# Altium PCB F4AIR.PcbDoc (continued)
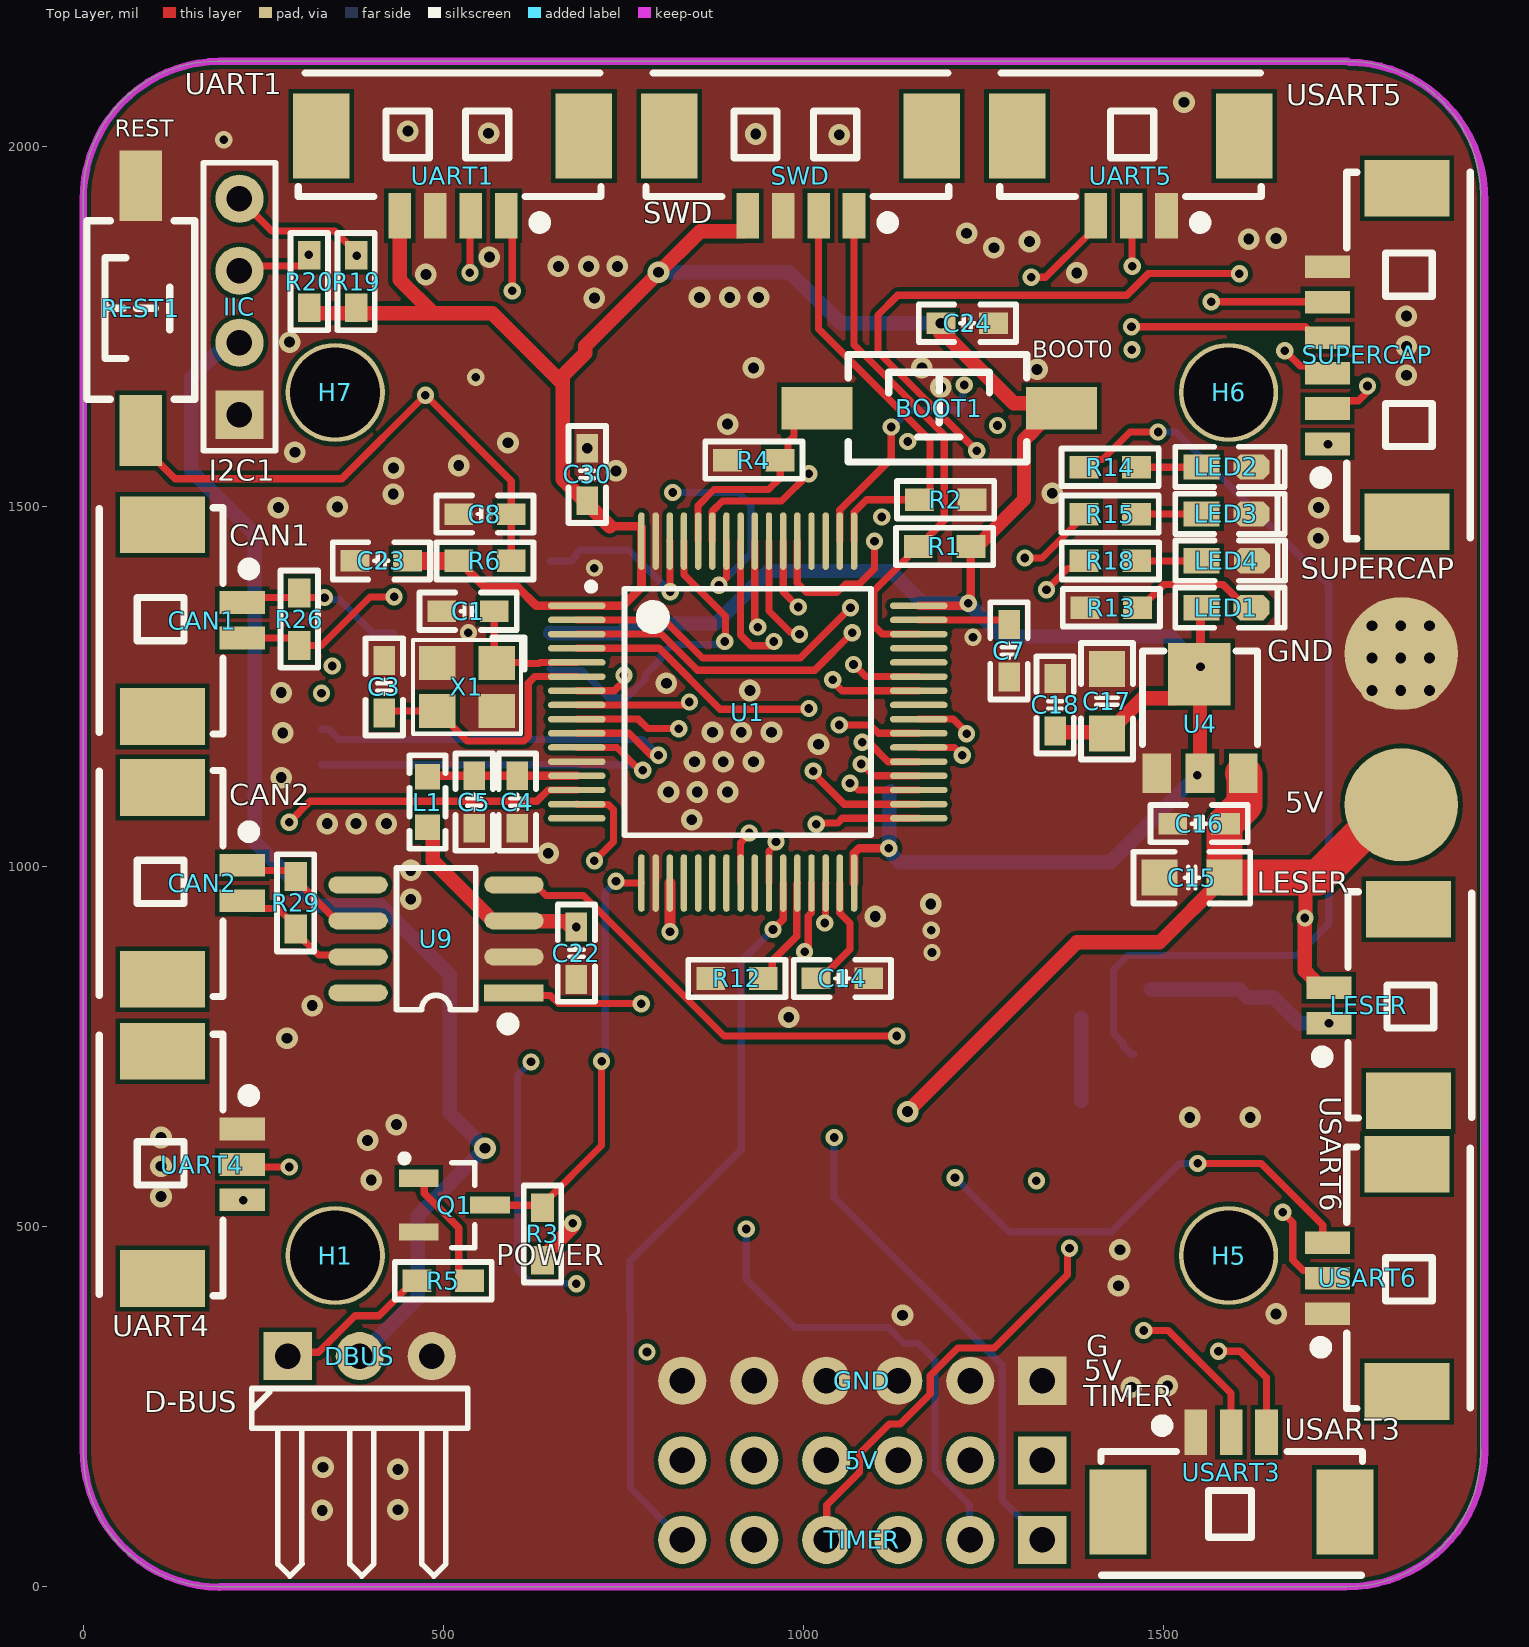
[diagram p0: Top Layer view]
## Footprints (in the part's own frame and the unit in brackets; to place one, negate y for a bottom-side part, rotate by r counter-clockwise, add the part's x,y. Pads: shape width x height; smd on the part's side, far side on the other; paste and mask are expansions set on the pad)
"C 0603_M" [mil] "无极性贴片电容"
  rect 40x30 smd: 1(-36.5,0) 2(36.5,0)
  silkscreen extent -68,-26 68,26, body extent -31,-16 31,16, height 32
"C 0805_M" [mil] "无极性贴片电容"
  rect 50x50 smd: 1(-45,0) 2(45,0)
  silkscreen extent -81,-36 81,36, body extent -39,-24 39,24, height 20
HDR2.54-LI-4P [mm] "排针，4脚"
  rect 1.7x1.7 hole 0.9: 1(-3.81,0)
  round 1.7 hole 0.9: 2(-1.27,0) 3(1.27,0) 4(3.81,0)
  silkscreen extent -5.08,-1.27 5.08,1.27, body extent -5.08,-1.27 5.08,1.27, height 8.5
HDR2.54-LI-6P [mm] "排针，6脚"
  rect 1.7x1.7 hole 0.9: 1(-6.35,0)
  round 1.7 hole 0.9: 2(-3.81,0) 3(-1.27,0) 4(1.27,0) 5(3.81,0) 6(6.35,0)
  body extent -7.62,-1.27 7.62,1.27, height 8.5
HDR2.54-WI-3P [mm] "弯脚排针，3脚"
  rect 1.7x1.7 hole 0.9: 1(-2.54,0)
  round 1.7 hole 0.9: 2(0,0) 3(2.54,0)
  silkscreen extent -3.81,-7.76 3.81,-1.14, body extent -3.81,-7.77 3.81,1.27, height 4.85
"L 0603" [mil] "小功率贴片电感"
  rect 35x35 smd: 1(-35,0) 2(35,0)
  silkscreen extent -65,-25 65,25, body extent -31,-16 31,16, height 31
"LED 0603B" [mil] "蓝色0603LED"
  rect 50x35 smd: 1(-35,0.26)
  oct 50x35 smd: 2(35,0.26)
  silkscreen extent -71,-28 81,28, body extent -31,-16 32,16, height 24
"LED 0603G" [mil] "绿色0603LED"
  rect 50x35 smd: 1(-35,0.26)
  oct 50x35 smd: 2(35,0.26)
  silkscreen extent -71,-28 81,28, body extent -31,-16 32,16, height 18
"LED 0603R" [mil] "红色0603LED"
  rect 50x35 smd: 1(-35,0.26)
  oct 50x35 smd: 2(35,0.26)
  silkscreen extent -71,-28 81,28, body extent -31,-16 31,16, height 18
"LED 0603Y" [mil] "黄色0603LED"
  rect 50x35 smd: 1(-35,0)
  oct 50x35 smd: 2(35,0)
  silkscreen extent -71,-28 81,28, body extent -31,-16 31,16, height 24
LQFP64 [mil]
  oval 80x9 smd: 1(-237.52,147.64) 2(-237.52,127.95) 3(-237.52,108.27) 4(-237.52,88.58) 5(-237.52,68.9) 6(-237.52,49.21) 7(-237.52,29.53) 8(-237.52,9.84) 9(-237.52,-9.84) 10(-237.52,-29.53) 11(-237.52,-49.21) 12(-237.52,-68.9) 13(-237.52,-88.58) 14(-237.52,-108.27) 15(-237.52,-127.95) 16(-237.52,-147.64) 33(237.52,-147.64) 34(237.52,-127.95) 35(237.52,-108.27) 36(237.52,-88.58) 37(237.52,-68.9) 38(237.52,-49.21) 39(237.52,-29.53) 40(237.52,-9.84) 41(237.52,9.84) 42(237.52,29.53) 43(237.52,49.21) 44(237.52,68.9) 45(237.52,88.58) 46(237.52,108.27) 47(237.52,127.95) 48(237.52,147.64)
  oval 9x80 smd: 17(-147.64,-237.52) 18(-127.95,-237.52) 19(-108.27,-237.52) 20(-88.58,-237.52) 21(-68.9,-237.52) 22(-49.21,-237.52) 23(-29.53,-237.52) 24(-9.84,-237.52) 25(9.84,-237.52) 26(29.53,-237.52) 27(49.21,-237.52) 28(68.9,-237.52) 29(88.58,-237.52) 30(108.27,-237.52) 31(127.95,-237.52) 32(147.64,-237.52) 49(147.64,237.52) 50(127.95,237.52) 51(108.27,237.52) 52(88.58,237.52) 53(68.9,237.52) 54(49.21,237.52) 55(29.53,237.52) 56(9.84,237.52) 57(-9.84,237.52) 58(-29.53,237.52) 59(-49.21,237.52) 60(-68.9,237.52) 61(-88.58,237.52) 62(-108.27,237.52) 63(-127.95,237.52) 64(-147.64,237.52)
  silkscreen extent -222,-171 171,179, body extent -236,-236 236,236, height 63
M3x4_N [mm] "M3铜柱，长：4mm"
  round 3.5 hole 3.175: 1(0,0)
"MX 1.25-WS-2P" [mm] "长：7.65mm，宽：4.2mm，高：3.4mm"
  rect 2x3 smd: 0(-3.382,0) 0(3.382,0)
  rect 0.8x1.6 smd: 1(-0.639,2.811) 2(0.611,2.811)
  silkscreen extent -3.98,-2.23 4,3.25, body extent -3.83,-2.1 3.83,3.09, height 3.4
"MX 1.25-WS-3P" [mm] "长：8.9mm，宽：4.2mm，高：3.4mm"
  rect 2x3 smd: 0(-4.007,0) 0(4.007,0)
  rect 0.8x1.6 smd: 1(-1.264,2.811) 2(-0.014,2.811) 3(1.236,2.811)
  silkscreen extent -4.61,-2.23 4.62,3.25, body extent -4.45,-2.1 4.45,3.09, height 3.4
"MX 1.25-WS-4P" [mm] "长：10.15mm，宽：4.2mm，高：3.4mm"
  rect 2x3 smd: 0(-4.632,0) 0(4.632,0)
  rect 0.8x1.6 smd: 1(-1.889,2.811) 2(-0.639,2.811) 3(0.611,2.811) 4(1.861,2.811)
  silkscreen extent -5.23,-2.23 5.45,3.25, body extent -5.07,-2.1 5.07,3.09, height 3.4
"MX 1.25-WS-6P" [mm] "长：12.65mm，宽：4.2mm，高：3.4mm"
  rect 2x3 smd: 0(-5.882,0) 0(5.882,0)
  rect 0.8x1.6 smd: 1(-3.139,2.811) 2(-1.889,2.811) 3(-0.639,2.811) 4(0.611,2.811) 5(1.861,2.811) 6(3.111,2.811)
  silkscreen extent -6.48,-2.23 6.45,3.25, body extent -6.32,-2.1 6.32,3.09, height 3.4
"OSC 3225-4P" [mm] "3.2*2.5*0.7mm(长宽高)"
  rect 1.3x1.2 smd: 1(-1.05,-0.85) 2(1.05,-0.85) 3(1.05,0.85) 4(-1.05,0.85)
  silkscreen extent -2.03,-1.75 1.91,1.65, body extent -1.6,-1.25 1.6,1.25, height 0.7
PAD-1.25-4P [mm]
  rect 0.8x1.3 smd: 1(-1.889,0.134) 2(-0.639,0.134) 3(0.611,0.134) 4(1.861,0.134)
"R 0603_M" [mil] "1/10W贴片电阻"
  rect 40x31.5 smd: 1(-36.5,0) 2(36.5,0)
  silkscreen extent -68,-26 68,26, body extent -31,-16 32,16, height 16
SOP8_M [mm] "5*6*1.8mm（长宽高）"
  rect 2.1x0.6 smd: 1(-2.75,1.905)
  oval 2.1x0.6 smd: 2(-2.75,0.635) 3(-2.75,-0.635) 4(-2.75,-1.905) 5(2.75,-1.905) 6(2.75,-0.635) 7(2.75,0.635) 8(2.75,1.905)
  silkscreen extent -2.69,-2.5 1.4,3.15, body extent -3,-2.5 3,2.5, height 1.9
SOT23-3M [mm] "3x1.3x1mm(长宽高)"
  rect 0.6x1.4 smd: 1(-0.95,0) 2(0.95,0) 3(0,2.514)
  silkscreen extent -1.78,-0.63 1.5,1.97, body extent -1.5,0.07 1.5,2.47, height 1.05
SOT-89 [mil]
  rect 40x55 smd: 1(-61.82,-0.57) 2(-1.82,-0.57) 3(58.18,-0.57)
  rect 86.61x86.61 smd: 2(-2.76,137.22)
  silkscreen extent -82,39 78,169, body extent -90,-6 87,163, height 59
"TSW SMD-3*6*5" [mm] "3*6*5mm"
  rect 2.5x1.5 smd: 1(-4.318,0) 2(4.318,0)
  silkscreen extent -3.21,-1.9 3.09,1.9, body extent -4.6,-1.75 4.6,1.75, height 5.1

## Part data
5V GND TIMER: library part "Header 6", "6P接插件", BOM名称=6P接插件, 学习资源=www.ooocke.com, 版权归属=源创客
BOOT1 REST1: library part "TSW 3x6", "3x6轻触开关", BOM名称=3x6轻触开关, 学习资源=www.ooocke.com, 版权归属=源创客
C1 C3 C4 C5 C7 C8 C14 C15 C16 C17 C18 C20 C21 C22 C23 C24 C30 C31: library part C, "无极性贴片电容", BOM名称=无极性贴片电容, 学习资源=www.ooocke.com, 版权归属=源创客
H1 H5 H6 H7: library part M3, "铜柱孔", BOM名称=铜柱孔, 学习资源=www.ooocke.com, 版权归属=源创客
IIC UART1: library part "HDR 2.54 -4P_1", "HDR 2.54 -4P"
L1: library part L, "小功率贴片电感", BOM名称=小功率贴片电感, 学习资源=www.ooocke.com, 版权归属=源创客
LED1 LED2 LED3 LED4: library part LED-SMD, "贴片LED", BOM名称=贴片LED, 学习资源=www.ooocke.com, 版权归属=源创客
Q1 Q2: library part 8050-SMD, "高频放大-NPN型"
R1 R2 R3 R4 R5 R6 R12 R13 R14 R15 R18 R19 R20 R23 R25 R26 R29: library part R, "贴片电阻", BOM名称=贴片电阻, 学习资源=www.ooocke.com, 版权归属=源创客
SUPERCAP: library part "HDR 2.54 -8P", "HDR 2.54 -8P"
SWD: library part "MX 1.25 -4P", "MX 1.25 -4P"
U4: library part AMS1117, "三端稳压芯片", BOM名称=稳压芯片, 学习资源=www.ooocke.com, 版权归属=源创客
U8 U9: library part MAX3051EKA+T, "CAN芯片"
UART4 UART5 USART3 USART6: library part "HDR 2.54 -3P", "HDR 2.54 -3P"
X1: library part XTAL-4P, "4脚无源晶振", BOM名称=4脚无源晶振, 学习资源=www.ooocke.com, 版权归属=源创客

## Free pads (board coordinates)
  round 157.48 smd: 2(1831.03,1086.31) 2(1831.03,1296.31)

## Via types
v1: diameter 30, hole 15, Top Layer to Bottom Layer, 99 vias
v2: diameter 24, hole 12, Top Layer to Bottom Layer, 95 vias
v3: diameter 24, hole 12, Top Layer to Bottom Layer, tented both sides, 1 vias

## Nets (pads, with @x,y where several pads share a name; then routed paths per layer and width w, separated by ;. In a path a pad name is that pad's centre, name@x,y a point inside that pad or via, vN(x,y) a via of type N, cw(c..) or ccw(c..) an arc to the next point about the centre after c; other vN are vias at no path point)
3.3V: BOOT1.2 C17.2 C18.1 C20.1 C21.1 C22.1 C23.1 C24.1 C30.2 C31.2 L1.1 LED1.1 R1.1 R3.2 R6.2 R19.1 R20.2 SWD.4 U1.1 U1.19 U1.32 U1.48 U1.64 U4.2 U8.3 U9.3 UART1.4 | length 6207.4
  Top Layer w12: R6.2 525.75,1425 535.5,1415.25 535.5,1411 558.5,1388 604,1388 629.36,1362.64 U1.1 749.64,1362.64 775.36,1388.36 U1.64 775.36,1471.75 773.86,1473.25 731.26,1473.25 730,1472 ; U1.32 1070.64,1018.97 1077.67,1026 v2(1119,1026) ; U1.48 1225.97,1362.64 v2(1229.49,1366.15) 1233,1369.67 R1.1 1237.25,1449.25 R1.1@1245.58,1449.25 ; BOOT1.2@1349.32,1633.68 BOOT1.2@1358,1625 ; v2(1552,1278) 1552,1359 LED1.1
  Top Layer w15: U1.19 814.87,977.35 814.87,910.13 v2(815,910)
  Top Layer w20: R20.2 314,1774.75 319.75,1769 486,1769 ; UART1.4 439.72,1815.28 486,1769 ; L1.1 485.5,1047.5 485.5,1008.24 568.74,925 U9.3 598.96,924.31 669.47,924.31 677.28,916.5 v2(685,916.5) ; R3.2 638,457.75 679.23,498.99 679.23,504.23 v3(680,505) ; 731.26,1473.25 666,1538.51 666,1671 ; SWD.4 923.03,1888.6 917.28,1882.85 856.85,1882.85 794,1820 697.5,1723.5 697.5,1713.5 666,1682 666,1671 ; C24.1@1190.5,1741 1191.5,1740 ; 1196.5,1740 1292.5,1644 1328.21,1644 1338.53,1633.68 BOOT1.2@1349.32,1633.68 ; R1.1@1245.58,1449.25 1306.71,1510.38 1306.71,1593.18 1318.79,1605.26 1318.79,1605.47 1338.32,1625 BOOT1.2@1338.53,1625 ; C18.1 1351.75,1186.75 1420.25,1186.75 C17.2 1471.39,1234.39 1517,1234.39 U4.2@1550.3,1267.69 ; U4.2@1551.25,1129.9 1551.25,1277.25 v2(1552,1278) ; 486,1769 568,1769 666,1671
  Top Layer w25: C23.1@447,1427.5 C23.1@449.5,1425 ; C23.1 C23.1@449.5,1425 ; R6.2 C23.1@449.5,1425
  Power w20: v3(680,505) 680,775 v2(815,910) 860,955 860,962 ; v2(685,916.5) 745.5,916.5 791,962 860,962 ; v2(1119,1026) 1051,1026 987,962 860,962
  Bottom Layer w20: U8.3 648.96,1324.31 744.19,1324.31 C20.1 759.5,1338 878.43,1338 951.43,1411 1121.5,1411 1166.35,1366.15 v2(1229.49,1366.15) 1275.64,1320 1510,1320 v2(1552,1278) ; v1(799,1826) 981,1826 1052,1755 v1(1191.5,1755) ; v2(1119,1026) 1119.77,1026.77 1119.77,1103.27 1121.5,1105 ; C31.2@1122.86,1017.69 C31.2@1131,1009.56 ; C31.2@1134.06,1006.5 1426.5,1006.5 v2(1547.37,1127.37)
5V: 5V.1 5V.2 5V.3 5V.4 5V.5 5V.6 C15.2 C16.1 DBUS.2 IIC.2 LESER.2 pad.2@1831.03,1086.31 U4.3 | length 4506.9
  Top Layer w20: v1(1145,660) 1380,895 1495,895 C15.2 ; 1714.91,985 1697.77,967.85 1697.77,929.77 v2(1697,929) 1697,855.45 1708.85,843.6 1708.85,837.81 1714.6,832.06 LESER.2
  Top Layer w50: U4.3 1613.11,1128.03 1613.11,1086.61 C16.1 1585,1058.5 C15.2 1714.91,985 1816.22,1086.31 pad.2@1831.03,1086.31
  Singal w20: v1(558,609) 700,609 855,454 ; v2(783,326) 783,382 855,454 ; v1(1145,660) 939,454 855,454
  Power w20: v2(783,326) 782.54,325.54 782.54,224.96 5V.6 5V.5 5V.4 5V.3 5V.2 5V.1
  Bottom Layer w20: IIC.2 204.3,1728 188.42,1712.12 183.12,1712.12 150,1679 150,1550 238,1462 238,1034 326,946 413,946 509,850 509,658 v1(558,609) 464.5,515.5 464.5,400.83 DBUS.2
ADC15: U1.25
BOOT0: BOOT1.1 R4.1 U1.60 | length 295.6
  Top Layer w10: U1.60 854.1,1502.1 876,1524 952,1524 968.11,1540.11 968.11,1560.86 978.75,1571.5 978.75,1589.89 987.19,1598.33 987.19,1612.47 999.72,1625 BOOT1.1@1018,1625
CAN1-RX: U1.61 U8.4 | length 461.9
  Top Layer w10: U1.61 834.42,1405.58 892,1348 892,1314 v2(891.04,1313)
  Bottom Layer w10: U8.4 650.87,1272.39 692.61,1272.39 730,1235 755,1235 781,1261 781,1266.77 802,1287.77 802,1293 817.79,1308.79 877.14,1308.79 877.68,1309.32 887.36,1309.32 v2(891.04,1313)
CAN1-TX: U1.62 U8.1 | length 269.7
  Top Layer w10: U1.62 815.13,1452.12 815.13,1382.4 v2(815.53,1382)
  Bottom Layer w10: U8.1 677.8,1425 684.61,1431.81 684.61,1434.14 690.46,1440 757.53,1440 v2(815.53,1382)
CAN1_H: CAN1.2 R26.2 U8.7 | length 243.4
  Top Layer w10: CAN1.2 289.56,1317.94 R26.2 330.75,1307.5 398.25,1375 v2(431.73,1375)
CAN1_L: CAN1.1 R26.1 U8.6 | length 235
  Top Layer w10: CAN1.1 228.5,1375 229.5,1374 v2(335,1374)
  Bottom Layer w10: v2(335,1374) 337.68,1371.32 355.88,1371.32 402.2,1325 U8.6
CAN2-RX: U1.33 U9.4 | length 1241.3
  Top Layer w10: U9.4 627.8,975 642.8,960 695,960 890,765 v2(1130,765) ; v2@1022.68,1060.68 1047.68,1060.68 1054.36,1067.36 U1.33
  Power w10: v2(1018,1059) 1143,1059 1212,990 1212,847 v2(1130,765)
  Bottom Layer w10: v2@1017.67,1058.67 v2(1018,1059)
CAN2-TX: U1.34 U9.1 | length 790.5
  Top Layer w10: U9.1 602.02,821.25 648.75,821.25 660,810 v2(775,810) ; v2(1014,1133) 1019,1133 1019.68,1132.32 1019.68,1124.32 1056.95,1087.05 U1.34
  Singal w10: v2(775,810) 795,810 991,1006 991,1110 v2(1014,1133)
  Bottom Layer w10: v2(1014,1133) 1014,1133.33 v2@1016.33,1135.67
CAN2_H: CAN2.2 R29.2 U9.7 | length 198.3
  Top Layer w10: CAN2.2 231.4,942.19 270.56,942.19 295,917.75 R29.2 295,909.25 326.64,877.61 379.13,877.61 U9.7
CAN2_L: CAN2.1 R29.1 U9.6 | length 195.5
  Top Layer w10: CAN2.1 227.8,995 286.5,995 R29.1 295,982.25 352.25,925 U9.6
CS-FLASH: U1.20
CS-ICM: SUPERCAP.4 U1.50 | length 872.7
  Top Layer w10: U1.50 1050.95,1495.58 1081.37,1526 1122.24,1566.86 v2(1122.24,1611) ; v2(1456.15,1750.29) 1697.37,1750.29 1712.6,1735.06 SUPERCAP.4
  Singal w10: v2(1223.83,1669.4) 1304.72,1750.29 v2(1456.15,1750.29)
  Bottom Layer w10: v2(1122.24,1611) 1124,1611 1147.37,1634.37 1203,1634.37 1213.67,1634.37 1221.7,1642.4 1221.7,1667.27 v2(1223.83,1669.4)
GND: C1.1 C3.1 C4.2 C5.2 C7.2 C8.1 C14.1 C15.1 C16.2 C17.1 C18.2 C20.2 C21.2 C22.2 C23.2 C24.2 C30.1 C31.1 DBUS.3 GND.1 GND.2 GND.3 GND.4 GND.5 GND.6 IIC.1 LED2.2 LED3.2 LED4.2 pad.2@1831.03,1296.31 Q1.2 Q2.2 R2.1 R4.2 R12.1 R13.2 R23.1 REST1.2 SUPERCAP.6 SWD.3 U1.12 U1.18 U1.63 U4.1 U8.2 U9.2 UART1.3 UART4.1 UART5.1 USART3.1 USART6.1 X1.2 X1.4
  other v1: 332,106 437,107 437,163 333,166 1456,277 1506,279 1138,377 1657,379 1438,418 1440,468 108,542 400,565 108,584 395,620 108,624 435,642 1537.02,652 1621,652 283,762 980,791 317.99,807.3 1100,931 1177.36,948.39 455,955 455,995 646,1019 339,1060 379,1060 421,1060 845.36,1065.39 813,1104 853,1104 895,1104 275,1124 849,1146 889,1146 931,1146 1021.36,1170.39 277,1186 874,1187 914,1187 956,1187 275,1242 926,1245 1790,1245 1830,1245 1870,1245 810,1255 1790,1290 1830,1290 1870,1290 1790,1335 1830,1335 1870,1335 1715.39,1456.38 271,1499 1716,1499 353,1500 430.68,1517.79 1346,1519 740,1550 431,1554 521.5,1557.5 294,1576 700,1581.5 590,1589 895,1615 1191,1666 1838,1683 1325,1691 931,1693 1165,1693 1838,1723 286.58,1728.89 1838,1765 710,1790 856,1791 898,1791 938,1791 475.99,1822.85 1380,1825 660,1834 702,1834 742,1834 564.15,1847 1265,1860 1314.35,1868.61 1619,1872 1657,1873 1227,1880 1050,2017 934,2018 563,2019 451,2022 1529,2062
  other v2: 1179,881 1178,912 1236,1319 535,1325 710,1415 545,1680 195,2010
GPIO0: GPIO.1 U1.8 | length 675
  Top Layer w10: U1.8 834.05,1224.84 838.21,1229 v2(842,1229)
  Singal w10: v2(346,1279) 654,1279 704,1229 v2(842,1229)
GPIO1: GPIO.2 U1.9 | length 663.3
  Top Layer w10: U1.9 770.84,1205.16 784,1192 v2(827,1192)
  Singal w10: v2(331,1241) 380,1192 v2(827,1192)
GPIO2: GPIO.3 U1.10 | length 609.1
  Top Layer w10: U1.10 758.05,1185.47 788.53,1155 v2(799,1155)
  Bottom Layer w10: GPIO.3 340.84,1191.21 355.06,1177 777,1177 v2(799,1155)
GPIO3: GPIO.4 U1.11 | length 559.4
  Top Layer w10: U1.11 741.21,1165.79 776.95,1130.05 777,1130.1 v2(777,1134)
  Bottom Layer w10: GPIO.4@331,1141.72 765.49,1141.72 773.21,1134 v2(777,1134)
I2C1-SCL: IIC.3 R20.1 U1.58 | length 1129.2
  Top Layer w10: IIC.3 223.5,1834.5 303.25,1834.5 R20.1@314,1845.25 ; v2(883,1391) 893.47,1401.47 U1.58
  Singal w10: v2(313,1850) 313,1808.99 451,1670.99 451,1598 451,1591.23 522.23,1520 v2(819,1520)
  Bottom Layer w10: v2(819,1520) 910,1520 927.65,1502.35 927.65,1435.65 v2(883,1391)
I2C1-SDA: IIC.4 R19.2 U1.59 | length 1173.2
  Top Layer w10: IIC.4 261.65,1883.35 349.41,1883.35 R19.2@379,1853.75 ; U1.59 873.79,1493.79 888,1508 970,1508 v2(1008,1546)
  Singal w10: v2(380,1849) 380,1798 461,1717 635.23,1717 653.81,1698.42 855.58,1698.42 v2(1008,1546)
ICM-INIT: SUPERCAP.5 U1.24 | length 1382.6
  Top Layer w10: U1.24 913.16,1033.88 925,1045.72 v2(925,1047) ; v2(1567,1785) 1725.62,1785 1726.62,1786 SUPERCAP.5
  Singal w10: v2(1270,1613) 1270.63,1613.63 1297,1613.63 1335.37,1652 1422.91,1652 1555.91,1785 v2(1567,1785)
  Power w10: v2(925,1047) 970,1092 1087,1092 1188,1193 1188,1492.47 1270,1574.47 v2(1270,1613)
IST_DRDY: U1.52
IST_RST: U1.51
LED-B: R18.2 U1.4 | length 896.3
  Top Layer w10: U1.4 799.94,1303.58 884.53,1219 1012.21,1219 1013.21,1220 v2(1008,1220) ; v2(1338,1385) 1367.25,1414.25 1379.51,1414.25 R18.2
  Singal w10: v2(1008,1220) 1276.75,1220 1338,1281.25 v2(1338,1385)
LED-G: R15.2 U1.3 | length 818.3
  Top Layer w10: U1.3 802.89,1323.27 853.15,1273 1016,1273 v2(1068,1325) ; v2(1308,1429) 1331.75,1429 R15.2@1393.01,1490.26
  Singal w10: v2(1068,1325) 1172,1429 v2(1308,1429)
LED-R: R14.2 R25.1 U1.2 | length 2332.4
  Top Layer w10: U1.2 807.08,1342.95 860.03,1290 996,1290 v2(1065.74,1359.74) ; R14.2@1393,1555 1403.75,1565.75 1415.75,1565.75 1454,1604 v2(1493,1604)
  Singal w10: v2(1065.74,1359.74) 1310,1604 v2(1493,1604)
  Bottom Layer w10: R25.1 1455.25,740 1444.5,750.75 1444.5,755 1431,768.5 1431,857 1451,877 1686,877 1730,921 1730,1392 1518,1604 v2(1493,1604)
NetC1_2: C1.2 U1.5 X1.1 | length 185.5
  Top Layer w10: C1.2 571,1286.8 X1.1 574.77,1283.9 609.65,1283.9 611.2,1282.34 632.74,1282.34 634.3,1283.9 U1.5
NetC3_2: C3.2 U1.6 X1.3 | length 367.5
  Top Layer w10: C3.2 421.04,1216.54 X1.3 493.63,1216.54 512.25,1197.91 512.25,1195.94 533.2,1175 612.14,1175 618,1180.86 618,1255 627.21,1264.21 U1.6
NetC4_1: C4.1 C5.1 L1.2 U1.13 | length 208.1
  Top Layer w10: L1.2 L1.2@479.42,1126.42
  Top Layer w12: L1.2@479.42,1126.42 543,1126.42 603,1126.42 U1.13
NetC7_1: C7.1 U1.47 | length 118.9
  Top Layer w10: U1.47 C7.1@1279.45,1342.95
NetC14_2: C14.2 U1.31 | length 161.6
  Top Layer w10: C14.2 1024.53,845 1065,885.47 1065,921.76 1050.95,935.81 U1.31
NetDBUS_1: DBUS.1 R5.1 | length 222.9
  Top Layer w10: DBUS.1 289.49,325.81 326.61,325.81 377.29,376.5 410.75,376.5 459.25,425 R5.1
NetLED1_2: LED1.2 R13.1 | length 185
  Top Layer w10: R13.1 1468.75,1360 1500.75,1392 1583.5,1392 1615.5,1360 LED1.2
NetLED2_1: LED2.1 R14.1 | length 90.2
  Top Layer w10: R14.1 1552.49,1555 LED2.1
NetLED3_1: LED3.1 R15.1 | length 90.1
  Top Layer w10: R15.1 1552.75,1490 LED3.1
NetLED4_1: LED4.1 R18.1 | length 90.1
  Top Layer w10: R18.1 1553.01,1425 LED4.1
NetLESER_1: LESER.1 Q2.3 | length 266.8
  Bottom Layer w20: Q2.3 1606,829.89 1617.04,818.85 1653.15,818.85 1689.15,782.85 v2(1730.35,782.85)
NetQ1_1: Q1.1 R5.2 | length 174.5
  Top Layer w10: Q1.1 466.74,567.41 473.55,560.6 473.55,546.45 521.5,498.5 521.5,435.75 532.25,425 R5.2
NetQ2_1: Q2.1 R23.2 R25.2 | length 118.7
  Bottom Layer w10: Q2.1 Q2.1@1386.5,790.01
  Bottom Layer w20: R23.2 1386.25,675.25 1386.25,739.75 R25.2 Q2.1@1386.5,790.01
NetR12_2: R12.2 U1.28 | length 153.1
  Top Layer w10: R12.2 946.22,845 956.97,855.75 956.97,869.49 991,903.53 991,976.58 U1.28
REST: C8.2 R6.1 REST1.1 U1.7 | length 1611.9
  Top Layer w10: REST1.1 80,1586.32 127.32,1539 359,1539 v2(475.26,1655.26) 594.5,1536.03 C8.2 R6.1 ; U1.7 737.53,1244.53 751,1258 v2(751,1266)
  Singal w10: v2(475.26,1655.26) 477.53,1653 782,1653 858,1577 858,1480 751,1373 v2(751,1266)
SPI1-MISO: U1.22
SPI1-MOSI: U1.23
SPI1-SCK: U1.21
SPI3-MISO: SUPERCAP.3 U1.56 | length 1323.1
  Top Layer w10: U1.56 932.84,1340.95 937,1336.79 v2(937,1333) ; v2(1669,1717) 1690.02,1695.98 1718.22,1695.98 SUPERCAP.3
  Singal w10: v2(937,1333) 937,1379.53 1145.24,1587.76 1145.24,1658.76 1124,1680 1124,1753 1158,1787 1472,1787 1504,1819 1567,1819 v2(1669,1717)
  other v2: 1145.24,1590.76
SPI3-MOSI: SUPERCAP.2 U1.57 | length 1376
  Top Layer w10: U1.57 913.16,1321.84 928,1307 953.36,1307 v2(959.36,1313) ; SUPERCAP.2 1739.1,1647.39 1771.6,1647.39 1784,1659.79 v2(1784,1668)
  Singal w10: v2(959.36,1313) 959.36,1315.22 970,1325.86 970,1371 1012,1413 1027.28,1413 1089.54,1475.26 1094.47,1475.26 1105.21,1486 v2(1109,1486) 1109,1522 1305.25,1718.25 v2(1456.64,1718.26)
  Power w10: v2(1456.64,1718.26) 1497.38,1759 1729,1759 1784,1704 v2(1784,1668)
SPI3-SCK: SUPERCAP.1 U1.55 | length 1617.6
  Top Layer w10: U1.55 952.53,1355.47 982.32,1325.68 992.32,1325.68 v2(995,1323) ; v2(1241,1578) 1104,1715 1104,1766.55 1131.45,1794 1449.41,1794 1479.41,1824 v2(1606,1824)
  Singal w10: v2(995,1323) 1101.26,1429.26 1108.59,1429.26 1238.32,1558.98 1238.32,1573.32 v2@1244.32,1579.32 ; v2(1606,1824) 1664,1824 1729,1759 v2(1729,1587)
  Bottom Layer w10: v2@1234.45,1575.24 1237.21,1578 v2(1241,1578)
SWCLK: R2.2 SWD.2 U1.49 | length 604.7
  Top Layer w10: SWD.2 1021.45,1747.55 1176,1593 1176,1520.75 1165.25,1510 1088,1510 1070.64,1492.64 U1.49
SWDIO: R1.2 SWD.1 U1.46 | length 734.2
  Top Layer w10: SWD.1 1070.67,1725.33 1099,1697 1196,1600 1196,1481 1175,1460 1175,1455.75 1164.25,1445 R1.2 1155.75,1445 1145,1434.25 1145,1430 1098,1383 1098,1335 1109.73,1323.27 U1.46
TIM3-CH3: TIMER.5 U1.26 | length 1439.3
  Top Layer w10: U1.26 952.53,1021.9 962.17,1031.55 v2(962.17,1034.76)
  Singal w10: v2(622,729) 622,777 789,944 870,944 960.76,1034.76 v2(962.17,1034.76) ; v2(685,421) 756.02,349.98 756.02,175.98 812,120 877,120 TIMER.5
  Bottom Layer w10: v2(622,729) 603,710 603,440 622,421 v2(685,421)
TIM3-CH4: TIMER.6 U1.27 | length 1031
  Top Layer w10: v2(958,913) 972.21,927.21 U1.27
  Bottom Layer w10: TIMER.6 760,137 760,383 759,384 759,452 845,538 914,607 914,869 v2(958,913)
TIM8-CH3: TIMER.3 U1.39 | length 1457.3
  Top Layer w10: v2(1050,1197) 1093,1197 1104.53,1185.47 U1.39
  Singal w10: v2(1050,1197) 1093,1197 1277,1013 1277,522.42 1276.46,521.88 1276.46,157.08 1235.87,116.49 1183.49,116.49 TIMER.3
TIM8-CH4: TIMER.4 U1.40 | length 1435.2
  Top Layer w10: TIMER.4 1032.85,65.85 1032.85,113.46 1078.24,158.86 1078.24,184.62 1119.72,226.1 1134.98,226.1 1176.46,267.58 1176.46,293.35 1214.64,331.52 1265.52,331.52 1367.32,433.32 1367.32,467.32 v2(1370,470) ; U1.40 1208.84,1205.16 1227,1187 v2(1227,1185)
  Singal w10: v2(1227,1185) 1229,1185 1369,1045 1369,471 v2(1370,470)
TIM12-CH1: TIMER.1 U1.35 | length 1279.2
  Top Layer w10: v2(1065,1116) 1067,1116 1076.27,1106.73 U1.35
  Singal w10: v2(1043,624) 1043,671 1058,686 1058,948.4 1061,951.4 1061,1103.14 1062.32,1104.46 1062.32,1113.32 v2(1065,1116)
  Bottom Layer w10: v2(1043,624) 1043,541 1276.46,307.54 1276.46,120.54 TIMER.1
TIM12-CH2: TIMER.2 U1.36 | length 1469.5
  Top Layer w10: v2(1080.64,1142.79) 1081.21,1142.79 1097.58,1126.42 U1.36
  Singal w10: v2(921,497) 922.09,498.09 949.62,498.09 1074,622.47 1074,941.77 1077,944.77 1077,1087 1088,1098 1088,1131.64 1080.64,1139 v2(1080.64,1142.79)
  Bottom Layer w10: v2(921,497) 921,427 988,360 1118.23,360 1140.23,338 1160,338 1183,315 1183,161.62 1231.15,113.46 1231.15,65.85 TIMER.2
UART1-RX: U1.43 UART1.1 | length 981.4
  Top Layer w10: UART1.1 596,1895.71 v2(596,1800) ; v2(1070,1281) 1086.79,1264.21 U1.43
  Power w10: v2(596,1800) 596,1796.21 603,1789.21 603,1789 823,1569 894,1569 1093,1370 1093,1304 v2(1070,1281)
UART1-TX: U1.42 UART1.2 | length 1039.8
  Top Layer w10: v2(537.1,1825.35) 537.1,1903.29 UART1.2 ; v2(1041,1260) 1042.39,1258.61 1042.39,1256 1053.86,1244.53 U1.42
  Power w10: v2(537.1,1825.35) 538,1824.44 538,1797 729,1606 785,1550 885.37,1550 1041,1394.37 v2(1041,1260)
UART2-RX: Q1.3 R3.1 U1.17 | length 606.6
  Top Layer w10: Q1.3 634.5,530 R3.1 638,530.75 720,612.75 v2(720,730) ; v2(740,980) 742.52,977.48 U1.17
  Bottom Layer w10: v2(720,730) 725,735 725,965 v2(740,980)
UART4-RX: U1.15 UART4.2 | length 803.9
  Top Layer w10: UART4.2 224.2,583 v2(286,583) ; U1.15 685.98,1086.55 729.14,1086.55 736.48,1079.21 736.48,1034.98 v2(710,1008.5)
  Singal w10: v2(286,583) 710,1007 v2(710,1008.5)
UART4-TX: U1.14 UART4.3 | length 969.5
  Top Layer w10: v2(286,1062) 315,1091 630,1091 645.73,1106.73 U1.14
  Singal w10: v2(222,537) 222,767.5 286,831.5 v2(286,1062)
UART5-RX: U1.54 UART5.2 | length 1180
  Top Layer w10: U1.54 972.21,1381.79 v2(993,1361) ; UART5.2 1456.98,1902.91 v2(1456.98,1834.1)
  Power w10: v2(993,1361) 1022,1332 1022,1289 1007,1274 1007,1258 1036,1229 1120,1229 1143,1252 1143,1551 1423.42,1831.42 1454.3,1831.42 v2(1456.98,1834.1)
UART5-TX: U1.53 UART5.3 | length 900.8
  Top Layer w10: U1.53 991.9,1394.1 1005,1381 1047,1381 1059,1393 1078,1393 1099.07,1414.07 v2(1099.07,1452.26) ; v2(1317,1819) 1336.73,1819 1395.58,1877.85 1406.33,1888.6 UART5.3
  Power w10: v2(1099.07,1452.26) 1099.07,1456.04 1086,1469.11 1086,1718 1187,1819 v2(1317,1819)
USART3-RX: U1.30 USART3.2 | length 1076.6
  Top Layer w10: v2(1030,922) 1031.08,923.08 1031.08,977.29 U1.30 ; v2(1473,356) 1507.2,356 1594.46,268.75 USART3.2
  Power w10: v2(1030,922) 1030,885 1053,862 1053,675 1372,356 v2(1473,356)
USART3-TX: U1.29 USART3.3 | length 1169.6
  Top Layer w10: v2(1002,882) 1007,887 1007,931.53 1011.58,936.11 U1.29 ; v2(1577,327) 1607,327 1643.67,290.33 USART3.3
  Power w10: v2(1002,882) 1037,847 1037,663.49 1373.49,327 v2(1577,327)
USART6-RX: U1.38 USART6.2 | length 1197.8
  Top Layer w10: U1.38 1210.21,1165.79 v2(1221,1155) ; v2(1666,520) 1680,506 1680,454 1694.8,439.2 1713.83,439.2 USART6.2@1733.04,420
  Singal w10: v2(1221,1155) 1324,1052 v2(1324,564)
  Power w10: v2(1324,564) 1340,548 1638,548 v2(1666,520)
USART6-TX: U1.37 USART6.3 | length 1392.8
  Top Layer w10: v2(1082,1173) 1091,1173 1117.9,1146.1 U1.37 ; v2(1548,588) 1636.27,588 1710.6,513.67 1721.71,502.56 1721.71,484.31 USART6.3
  Singal w10: v2(1082,1173) 1082.95,1173 1103.64,1152.31 1211,1044.95 v2(1211,568)
  Bottom Layer w10: v2(1211,568) 1286,493 1428.23,493 1523.23,588 v2(1548,588)
USB-DM: U1.44
USB-DP: U1.45
USB-IN: U1.41
pads on no net: CAN1.0 CAN2.0 H1.1 H5.1 H6.1 H7.1 LESER.0 SUPERCAP.0 SWD.0 U1.16 U8.5 U8.8 U9.5 U9.8 UART1.0 UART4.0 UART5.0 USART3.0 USART6.0

## Polygon pours and split planes (outlines as drawn)
GND on Top Layer "GND_L01_P006" (solid, remove dead copper, pour order 6): -390,-115 2180,-115 2210,-85 2155,-30 2155,2285 -235,2285 -240,2280
no net on Top Layer "NONET_L01_P-001" (solid, pour order 4): 228,1790
GND on Singal "GND_L02_P007" (solid, remove dead copper, pour order 7): -400.39,-53.28 2169.61,-53.28 2199.61,-23.28 2144.61,31.72 2144.61,2346.72 -245.39,2346.72 -250.39,2341.72
GND on Power "GND_L03_P008" (solid, remove dead copper, pour order 8): -455.39,61.72 2114.61,61.72 2144.61,91.72 2089.61,146.72 2089.61,2461.72 -300.39,2461.72 -305.39,2456.72
GND on Bottom Layer "GND_L04_P009" (solid, remove dead copper, pour order 9): -470.39,-163.28 2099.61,-163.28 2129.61,-133.28 2074.61,-78.28 2074.61,2236.72 -315.39,2236.72 -320.39,2231.72

## Keep-outs
Keep-Out Layer:
  lines w10: 0,1926.22 0,192 ccw(c190.76,190) 188.76,-0.75 ; 0.01,1926.23 cw(c190.77,1928.23) 188.77,2118.98 1757.01,2118.98 1758.24,2117.75 cw(c1756.24,1927) 1947,1925 1947,189.01 1946.75,188.76 cw(c1756,190.76) 1754,0 189.51,0

## Other copper
Top Layer:
  pour cut-out: 1333,710

## Silkscreen, mask and mechanical layers (free items; w line width, h text height)
Top Overlay:
  text "UART1" at 141,2063.52 h50
  text "USART5" at 1671,2048.52 h50
  text "REST" at 44,2006.42 h40
  text "SWD" at 778,1884.52 h50
  text "BOOT0" at 1318,1699.42 h40
  text "I2C1" at 174,1526.52 h50
  text "CAN1" at 203,1436.52 h50
  text "SUPERCAP" at 1691,1390.52 h50
  text "GND" at 1645,1275.52 h50
  text "CAN2" at 203,1075.52 h50
  text "5V" at 1670,1065.52 h50
  text "LESER" at 1630,954.52 h50
  text "USART6" at 1708.52,681 h50 r270
  text "POWER" at 574,436.52 h50
  text "UART4" at 40,338.52 h50
  text "G" at 1393,310.52 h50
  text "5V" at 1390,276.52 h50
  text "TIMER" at 1389,241 h50
  text "D-BUS" at 85,232.52 h50
  text "USART3" at 1669,194.56 h50
Bottom Overlay:
  text "3V3" at 469.76,2027.9 h50
  text "T" at 554,2028 h50
  text "R" at 600,2028 h50
  text "G" at 516,2027.44 h50
  text "G" at 1520,1952.52 h50
  text "T" at 1420,1952 h50
  text "R" at 1465,1951 h50
  text "SDA" at 162,1908.52 h50
  text "SCL" at 158,1811.52 h50
  text "5V" at 135,1709.52 h50
  text "GND" at 170,1610.52 h50
  text "F4V1.6.2" at 1022,877 h60
  text "By bilibili 风的旅者-李" at 1030.24,825.47 h50
  text "+" at 1768.83,822 h50 r270
  text "-" at 1775.39,776 h50 r270
  text "2022.4.13" at 945.28,774.14 h50
  text "GND" at 683,640.42 h40
  text "5V" at 1253,635.42 h40
  text "TIM3-CH4" at 845.56,516.91 h40 r90
  text "TIM3-CH3" at 940.56,516.91 h40 r90
  text "TIM8-CH4" at 1040.58,516.91 h40 r90
  text "TIM8-CH3" at 1145.56,516.91 h40 r90
  text "TIM12-CH2" at 1245.58,516.91 h40 r90
  text "TIM12-CH1" at 1345.58,516.91 h40 r90
  text "T" at 1857,494 h50 r90
  text "R" at 1857,441 h50 r90
  text "G" at 1857.56,394 h50 r90
  text "R" at 1610,77 h50
  text "T" at 1663,77 h50
  text "G" at 1563,76.44 h50
Mechanical 1:
  lines w10: 186,2119 ccw(c186,1933) 0,1933 0,186 ccw(c186,186) 186,0 1755,0 ccw(c1755,186) 1941,186 1941,1933 ccw(c1755,1933) 1755,2119 188.77,2118.98